# Altium PCB foxbms2-master.PcbDoc (part 12 of 12)
Units mil, origin at the board's own origin, x right, y up, seen from the top; angles counter-clockwise.
Board outline 7874.02 x 4724.41 mil, 8 copper layers (Top, Int1 (Sig), Int2 (Gnd), Int3 (Sig), Int4 (Sig), Int5 (Pwr), Int6 (Sig), Bottom), stack 64.41 mil thick; 912 components, 680 nets, 3159 pads, 2871 vias.
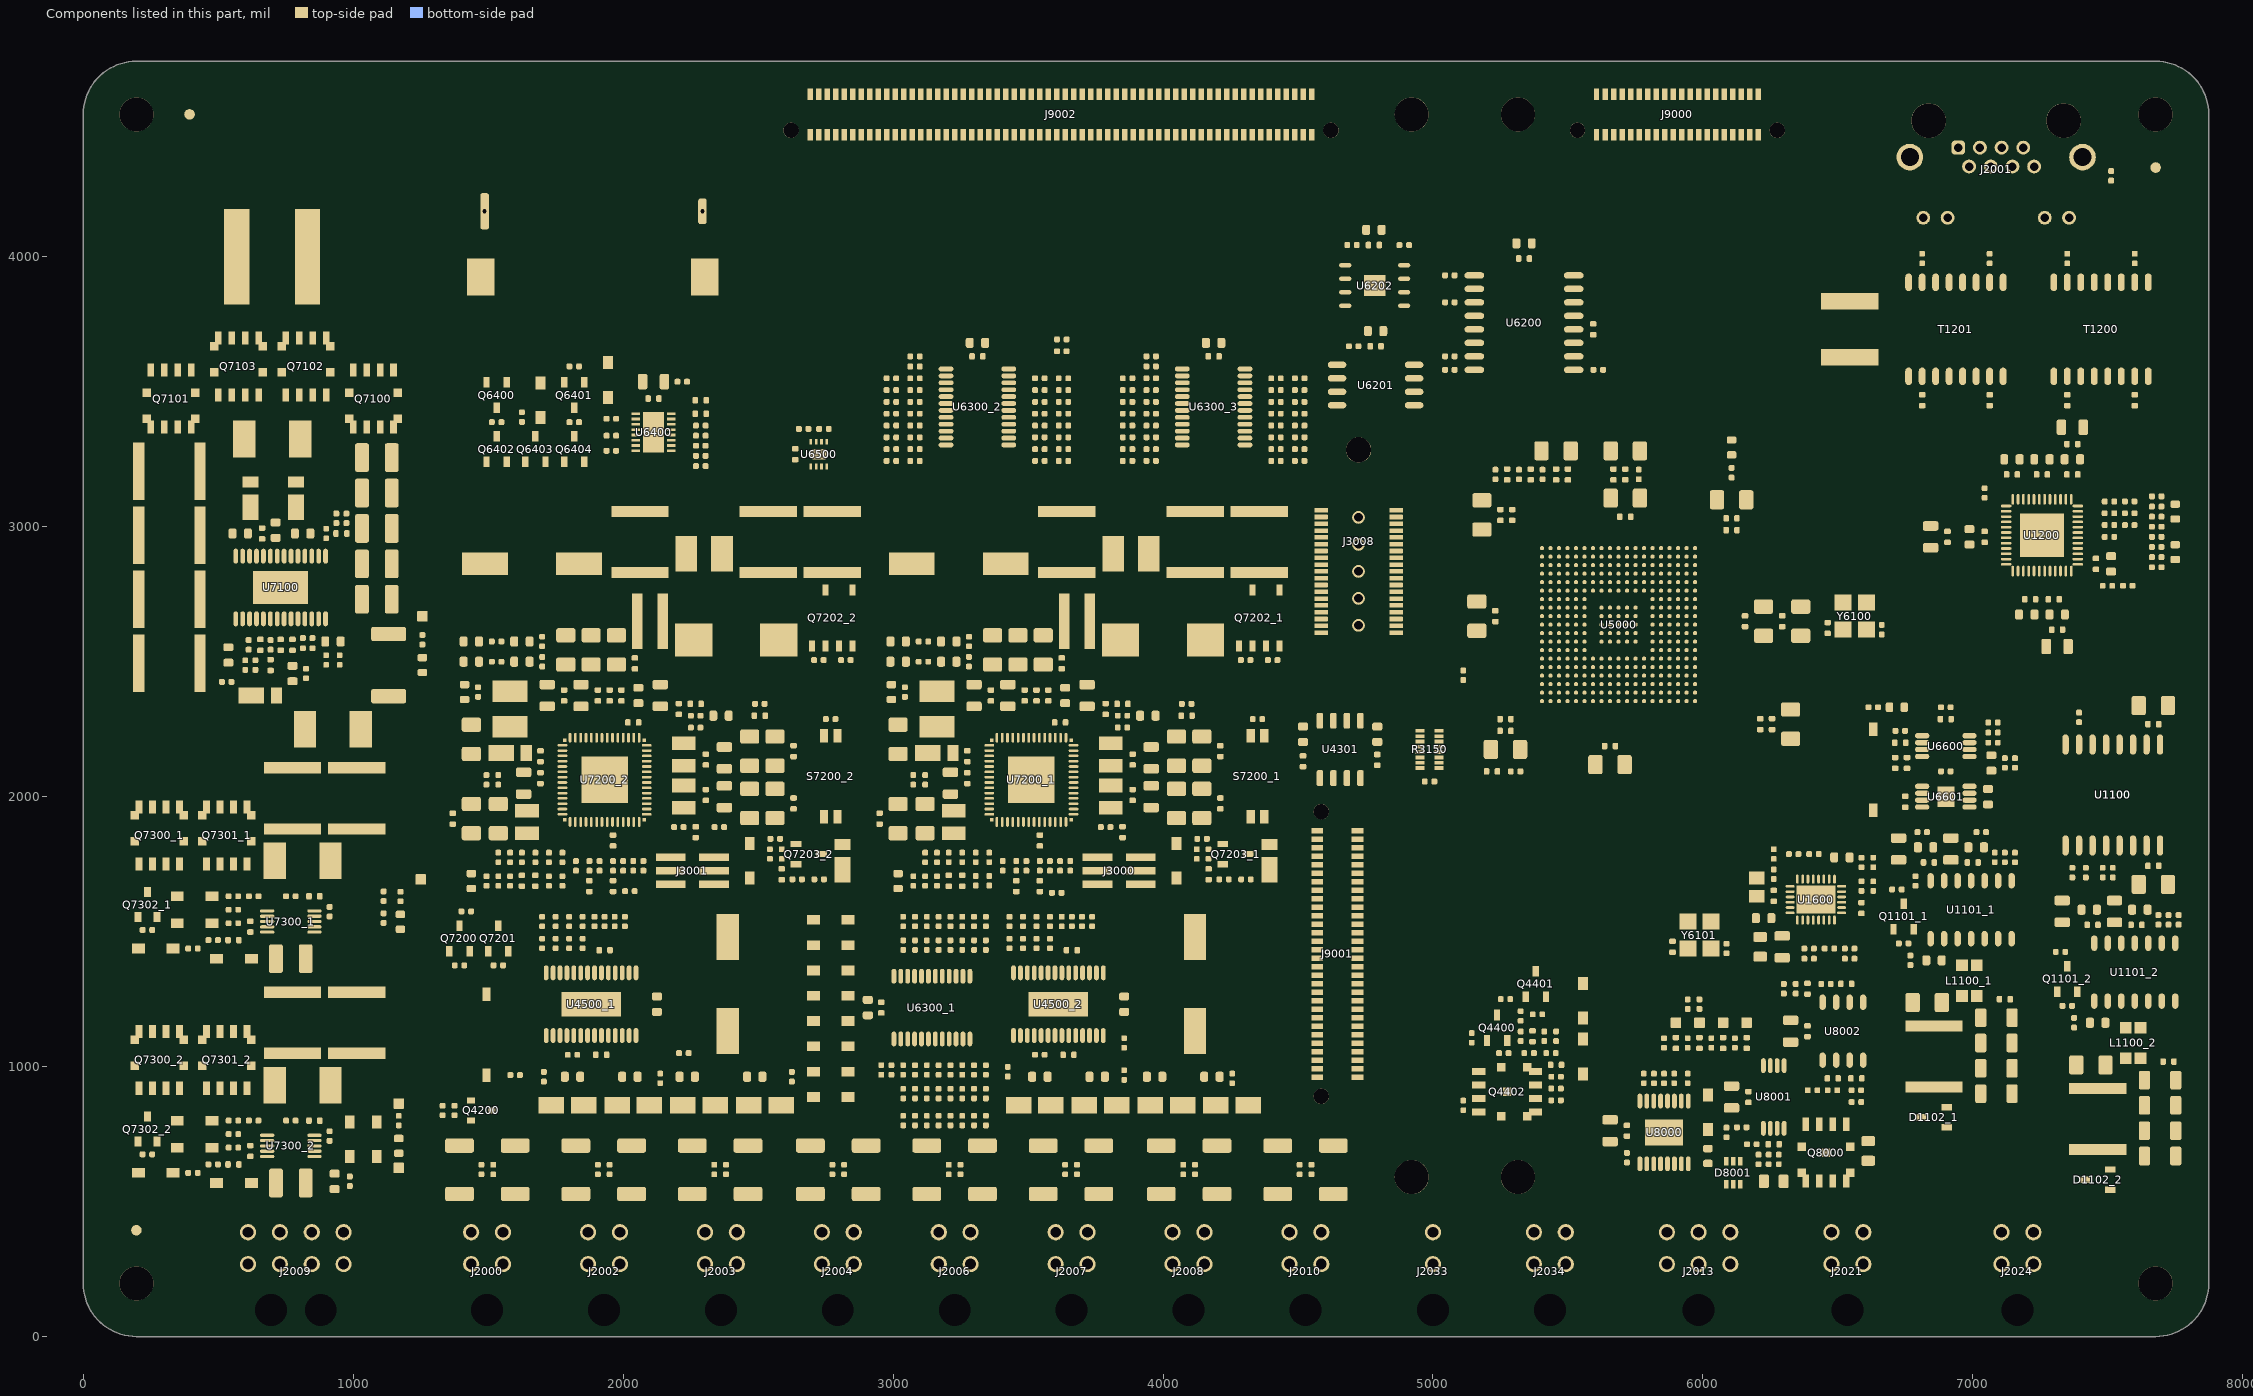
[diagram p18: the components of this part, seen from the top]

## Silkscreen, mask and mechanical layers (free items; w line width, h text height)
Top Overlay:
  drawing of 37 lines, arcs and shapes, not listed
  text "Ethernet" at 7531.25,4406.25 h60 r90
  text "Extension / connector" at 4160.47,4308.56 h60
  text "Interface / connector" at 5846.32,4307.86 h60
  text "Fraunhofer IISB / '.GlobalProject' v'.GlobalVersion'" at 487.5,4287.5 h50
  text "Creative Commons / Attribution 4.0" at 2475.18,3932.82 h50
  text "MRAM" at 4981.25,3893.75 h60 r90
  text "generation 2" at 3340.62,3760.45 h100
  text "foxBMS.org" at 175,3656.25 h120 r90
  text "FLASH" at 5250,3493.75 h60
  text "FRAM" at 4793.75,3362.5 h60
  text "Port Expander 2" at 3112.5,3168.75 h60
  text "Port Expander 3" at 3975,3168.75 h60
  text "RTC" at 2057.78,3156.25 h60
  text "LED_0" at 7806.25,3018.75 h30 r90
  text "LED_2" at 7806.25,2868.75 h30 r90
  text "Debug/Trace" at 4525,2675 h60 r90
  text "Buck-Boost-Converter" at 137.5,2562.5 h60 r90
  text "VBB_12V" at 1313.25,2407.95 h40 r90
  text "SBC / MCU" at 4143.75,2333.92 h60
  text "SBC / Per." at 2562.5,2325 h60
  text "PER_5.0V" at 1374.18,2305.27 h40 r90
  text "MCU_3.3V" at 2955.43,2301.27 h40 r90
  text "enable" at 6462.07,2235.02 h50
  text "MCU" at 5412.5,2231.25 h60
  text "debug" at 4450,2206.25 h50 r90
  text "wake" at 4281.25,2204.28 h50 r90
  text "debug" at 2868.75,2200 h50 r90
  text "wake" at 2700,2196.31 h50 r90
  text "WD reset" at 6549.49,2003.29 h50 r90
  text "off          on" at 2900,1956.25 h50 r90
  text "off          on" at 4481.25,1956.25 h50 r90
  text "disable" at 6449.81,1938.01 h50
  text "PER_FS0B" at 1399.18,1597.24 h40 r90
  text "MCU_FS0B" at 2980.43,1593.24 h40 r90
  text "VSUP_30C" at 1232.33,1446.94 h40 r90
  text "Port / Expander 1" at 2975,1225 h50 r90
  text "Supply Protection" at 137.5,1062.5 h60 r90
  text "Smart Switch 1" at 1662.5,1043.75 h50 r90
  text "Smart Switch 2" at 3393.75,1031.25 h50 r90
  text "off        on" at 1595.07,1015.61 h50 r90
  text "limp home test" at 1413.22,962.89 h50 r90
  text "EMIF connector" at 4819.66,818.75 h60 r90
  text "VSUP_30" at 1226.09,628.57 h40 r90
  text "Supply" at 443.75,18.75 h60 r90
  text "Sw. outputs" at 1268.75,18.75 h60 r90
  text "Interlock" at 4843.75,18.75 h60 r90
  text "Insul. mon." at 5212.5,18.75 h60 r90
  text "RS232/485" at 5712.5,18.75 h60 r90
  text "CAN 1" at 6318.75,18.75 h60 r90
  text "CAN 2 (iso.)" at 6937.5,18.75 h60 r90
Mechanical 15:
  the board outline again, w3.94

## Text inside footprints (layer, text, board x,y; h text height)
S4500: Top Overlay "ON" at 1463.75,1173.75 h35; Mechanical 13 "ON" at 1463.75,1173.75 h35
S6600: Top Overlay "ON" at 6601.25,2155 h35; Mechanical 13 "ON" at 6601.25,2155 h35
S7200_1: Top Overlay "ON" at 4295,2130 h35; Mechanical 13 "ON" at 4295,2130 h35
S7200_2: Top Overlay "ON" at 2713.75,2130 h35; Mechanical 13 "ON" at 2713.75,2130 h35